# Altium PCB MU_MP_39_V1_ASMB.PcbDoc (part 14 of 15) (continued)
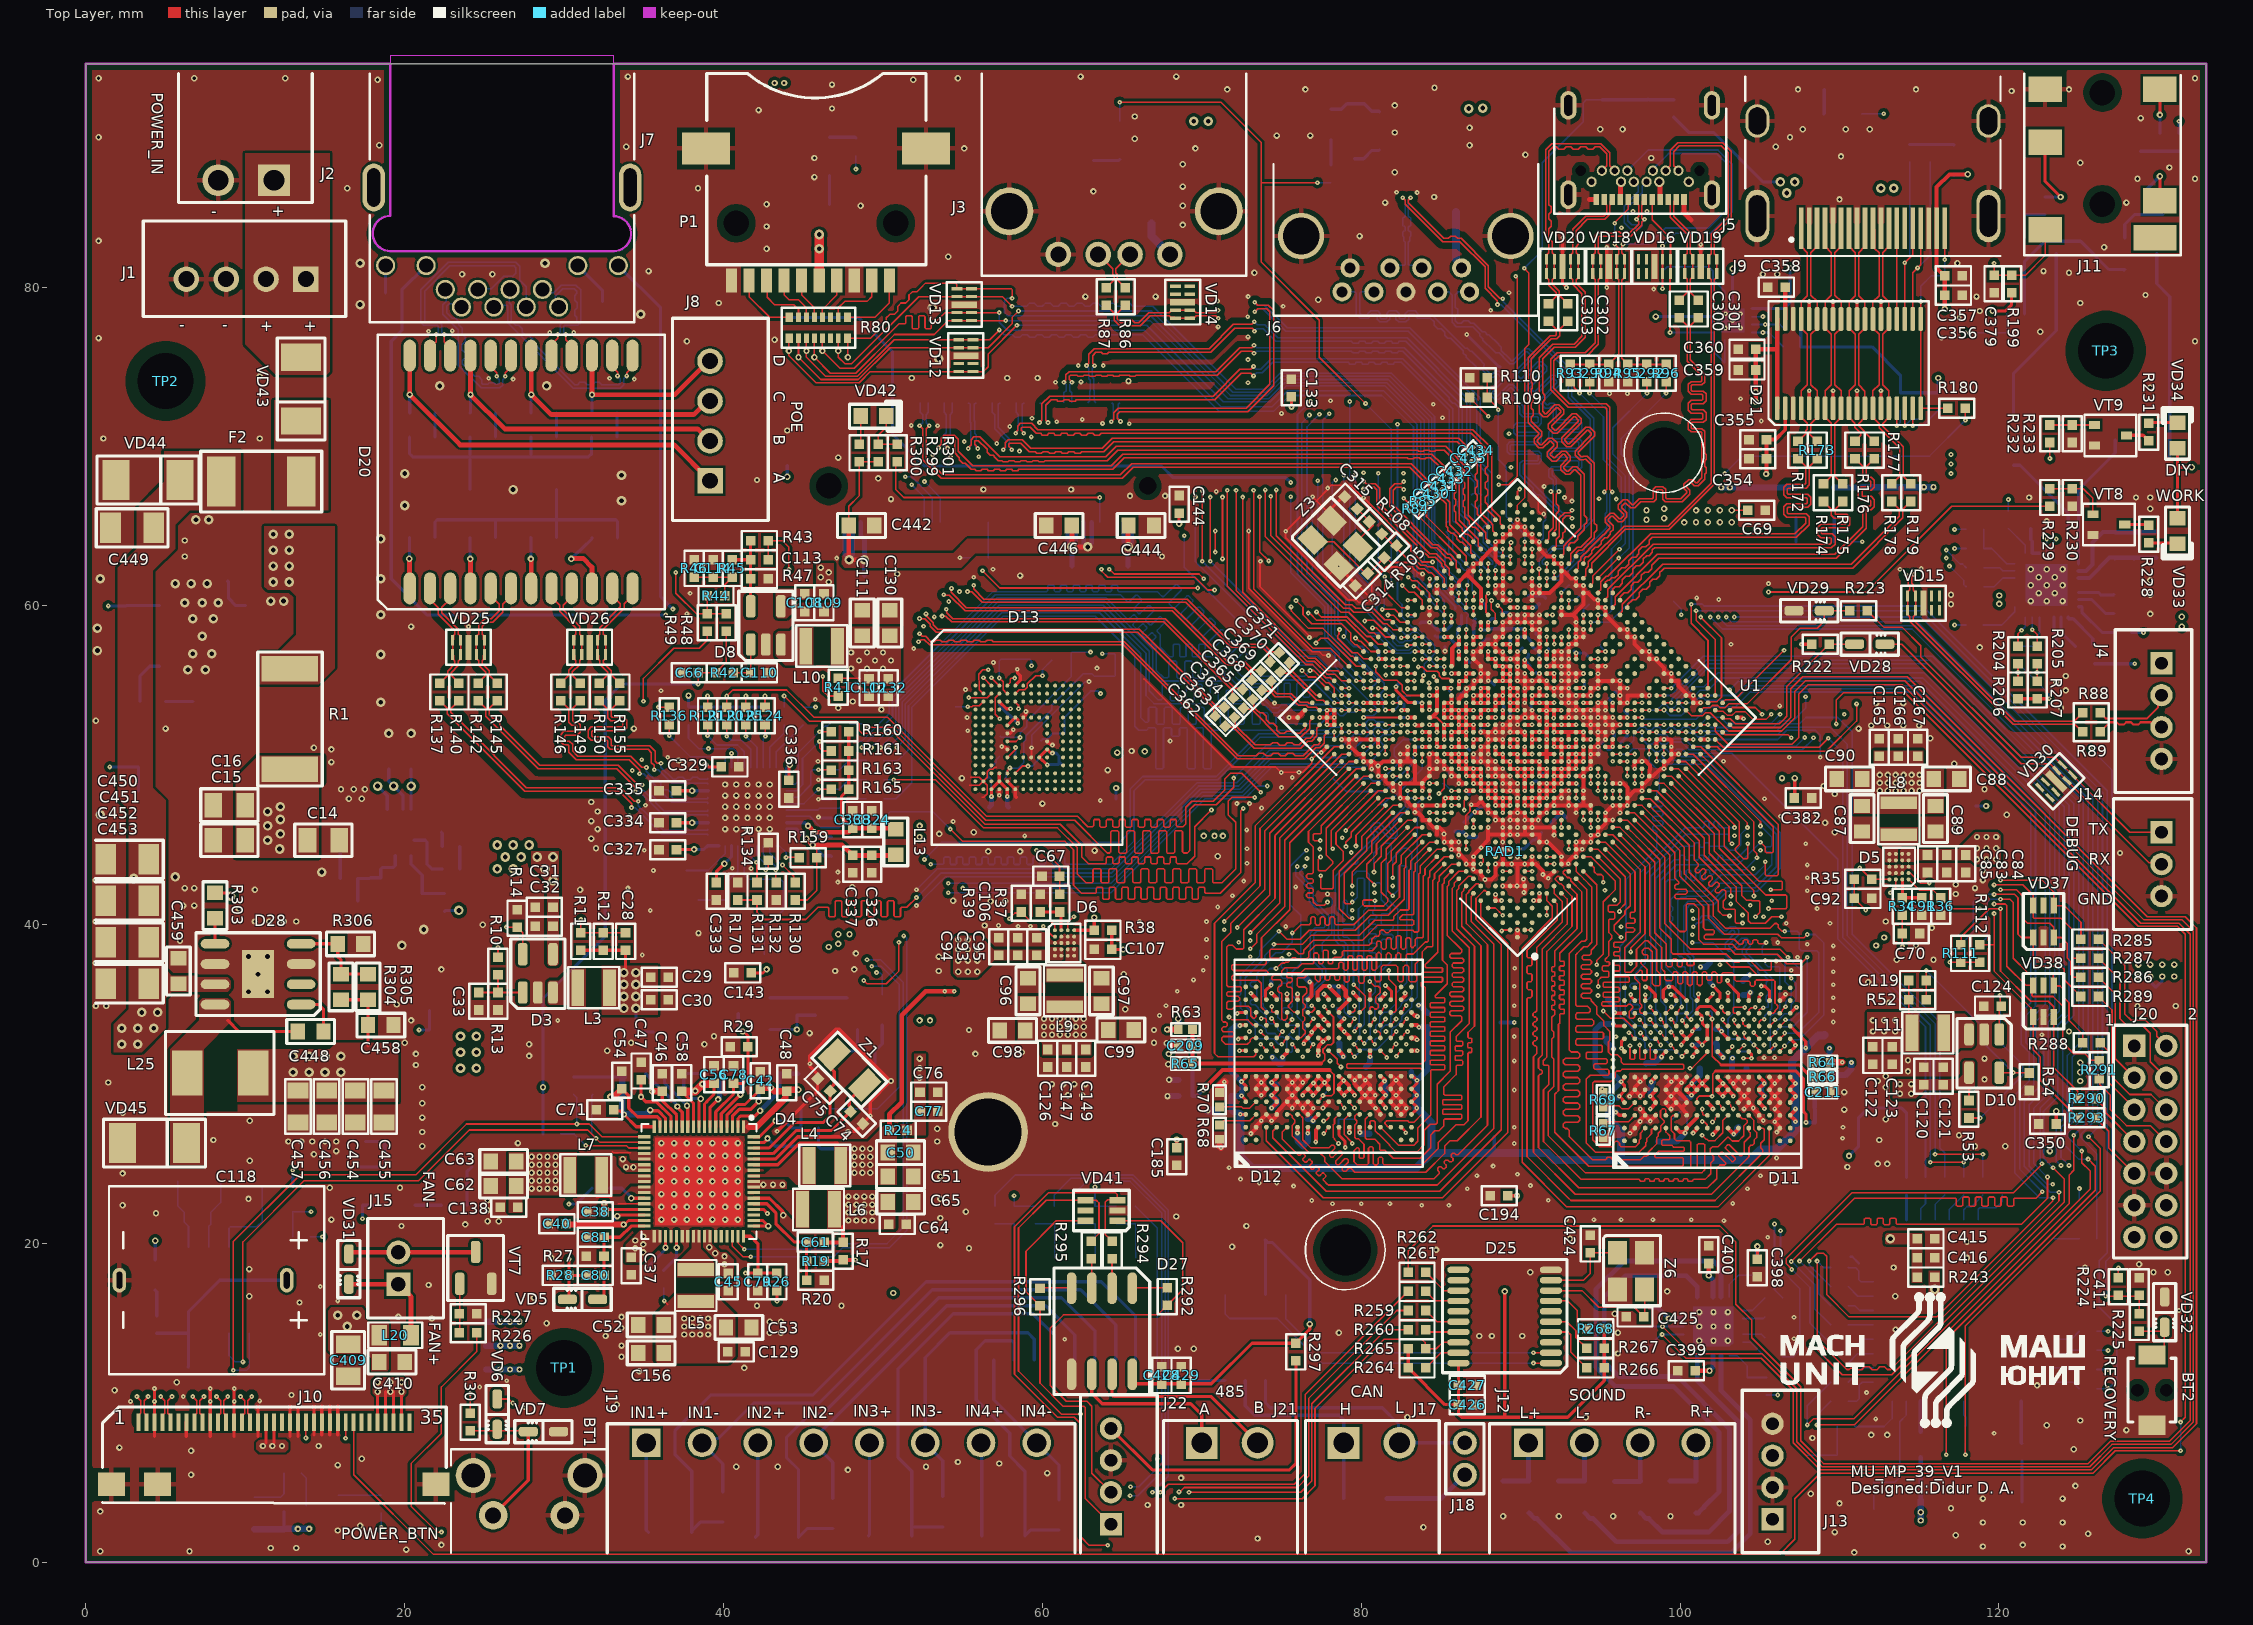
[diagram p0: Top Layer view]
## Nets (pads, with @x,y where several pads share a name; then routed paths per layer and width w, separated by ;. In a path a pad name is that pad's centre, name@x,y a point inside that pad or via, vN(x,y) a via of type N, cw(c..) or ccw(c..) an arc to the next point about the centre after c; other vN are vias at no path point) (continued)

## Polygon pours and split planes (outlines as drawn)
GND on Inner_Layer "NetC410_1" (solid, remove dead copper, pour order 1601): 0,0 0,94 133,94 133,0
VCC_1V8 on Inner_Layer "NetC410_1" (solid, remove dead copper, pour order 1174): 37 vertices, not listed, extent 47.7,12.5 131.5,38
VCCA_0V9 on Inner_Layer "S1-VCCA0V9_S3" (solid, pour order 1598): 22 vertices, not listed, extent 86.868,53.203 97.129,59.912
VCC12V_SYS on Inner_Layer "NetC410_1" (solid, remove dead copper, pour order 1169): 15.4,16 15.2,15.8 15.2,14.6 15.4,14.4 17.3,14.4 17.5,14.6 17.5,15.8 17.3,16
GND on Inner_Layer "S1-GND" (solid, pour order 1529): 180 vertices, not listed, extent 86.93,54.482 88.073,55.983
GND on Inner_Layer "S1-GND 5" (solid, pour order 1430): 81 vertices, not listed, extent 88.683,64.075 89.622,65.335
GND on Top Layer "GND_L01_P1603" (solid, remove dead copper, pour order 1603): 0,0 0,94 132.8,94 132.8,0
VCC_1V8 on Top Layer "NetC410_1" (solid, remove dead copper, pour order 1359): 115.6,18.3 115.6,16.8 115.7,16.7 116.2,16.7 116.3,16.8 116.3,18.3
3V3_PCIE on Top Layer "NetC410_1" (solid, remove dead copper, pour order 1362): 47.4,63.1 47.4,62.6 47.6,62.4 54.9,62.4 55.8,63.3 65.8,63.3 65.9,63.4 65.9,64.1 65.8,64.2 55.3,64.2 54.4,63.3 47.6,63.3
VDD_GPU on Top Layer "NONET_L01_P-001" (solid, pour order 1578): 116.55,46.975 116.55,49.75 115.425,49.75 115.25,49.925 115.25,50.925 112.15,50.925 112.15,49.9 112,49.75 110.875,49.75 110.875,46.975
NetD5_D3 on Top Layer "NONET_L01_P-001" (solid, pour order 1573): 114.925,46.1 112.525,46.1 112.525,45.075 112.875,44.725 112.875,43.95 112.913,43.912 113.646,43.912 113.668,43.934 113.668,44.718 113.9,44.95 114.925,44.95
VCC5V0_SYS on Top Layer "NONET_L01_P-001" (solid, pour order 1571): 117.45,44.725 118.525,45.8 119.925,45.8 120.125,45.6 120.125,43.925 120,43.8 118.525,43.8 118.275,44.05 114.8,44.05 114.662,43.912 113.81,43.912 113.81,44.66 113.875,44.725
VCC5V0_SYS on Top Layer "NONET_L01_P-001" (solid, pour order 1593): 56.971,37.77 55.9,36.7 54.65,36.7 54.4,36.95 54.4,39.1 54.6,39.3 56.1,39.3 56.955,38.445 60.33,38.445 60.468,38.584 61.32,38.584 61.32,37.836 61.255,37.77
VCC12V_SYS on Top Layer "NetC410_1" (solid, remove dead copper, pour order 1363): 15.4,13.1 17.6,13.1 17.9,12.8 17.9,12 18.9,12 19,12.1 19,15 18.9,15.1 17.7,15.1 17.5,15.3 17.5,15.8 17.3,16 15.4,16 15.2,15.8 15.2,13.3
EDP_LCD_VCC on Top Layer "NetC410_1" (solid, remove dead copper, pour order 1358): 10.9,6.9 10.7,7.1 10.7,7.5 10.9,7.7 12.5,7.7 12.7,7.5 12.7,7.1 12.5,6.9
EDP_BL_PWR on Top Layer "NetC410_1" (solid, remove dead copper, pour order 1364): 18.2,10.4 18,10.6 18,11.4 18.2,11.6 19.9,11.6 20.1,11.4 20.1,10.6 19.9,10.4
NetD6_D3 on Top Layer "NONET_L01_P-001" (solid, pour order 1579): 60.2,36.4 62.6,36.4 62.6,37.425 62.25,37.775 62.25,38.55 62.212,38.588 61.479,38.588 61.457,38.566 61.457,37.782 61.225,37.55 60.2,37.55
VDD_CPU_B on Top Layer "NONET_L01_P-001" (solid, pour order 1586): 58.45,35.525 58.45,32.75 59.8,32.75 60,32.55 60,31.825 63.05,31.825 63.05,32.6 63.2,32.75 64.625,32.75 64.625,35.525
NetC415_1 on Top Layer "NetC410_1" (solid, remove dead copper, pour order 1390): 115.2,17.55 114.525,17.55 114.525,19.75 114.325,19.95 112.925,19.95 112.875,20 112.875,20.55 112.975,20.65 115.2,20.65
NetD3_3 on Top Layer "Constraint_1" (solid, remove dead copper, pour order 1393): 29.075,36.5 28.975,36.4 28.975,35.075 29.075,34.975 30.175,34.975 30.325,34.825 31.35,34.825 31.35,37.25 30.4,37.25 29.65,36.5
VCC5V0_SYS on Top Layer "Constraint_1" (solid, remove dead copper, pour order 1394): 29.05,37.425 28.925,37.55 28.925,42.675 27.925,43.675 27.925,44.625 29.675,44.625 29.675,37.55 29.55,37.425
VCC3V3_SYS on Top Layer "Constraint_1" (solid, remove dead copper, pour order 1395): 32.35,37.425 32.35,34.35 35.875,34.35 35.875,37.425
VDD_CENTER on Top Layer "NONET_L01_P-001" (solid, pour order 1518): 37.032,16.845 35.732,15.545 35.732,12.645 35.882,12.495 40.295,12.495 40.732,12.932 40.732,15.545 39.432,16.845
NetD4_58 on Top Layer "NONET_L01_P-001" (solid, pour order 1546): 45.382,23.343 42.334,23.343 42.286,23.295 41.482,23.295 41.482,23.095 42.286,23.095 42.336,23.045 43.003,23.045 44.482,21.566 44.482,20.97 45.382,20.97
NetD10_3 on Top Layer "NONET_L01_P-001" (solid, pour order 1554): 118.451,33.817 117.851,34.417 116.101,34.417 116.101,32.017 117.301,32.017 117.576,32.292 118.301,32.292 118.451,32.442
VCCA_0V9 on Top Layer "NONET_L01_P-001" (solid, pour order 1572): 115,34.525 111.75,34.525 111.75,32.025 115,32.025
VCC3V3_SYS on Top Layer "NONET_L01_P-001" (solid, pour order 1556): 118.475,31.375 118.383,31.467 117.842,31.467 117.75,31.375 117.75,30.575 117.467,30.292 113.35,30.292 113.35,29.1 114.8,29.1 115.317,29.617 117.451,29.617 118.217,29.617 118.475,29.875
VCC12V on Top Layer "Constraint_1" (solid, remove dead copper, pour order 1396): 9.5,32.2 9.5,28.9 19.6,28.9 19.6,32.6 15.7,32.6 15.3,32.2 15.2,32.2
NetC448_1 on Top Layer "Constraint_1" (solid, remove dead copper, pour order 1397): 7.3,35.4 7.1,35.2 7.1,34 5.3,32.2 5.3,24.9 7.4,24.9 7.4,32.2 9.1,33.9 9.1,35.2 8.9,35.4
24V_IN_2 on Top Layer "Constraint_1" (solid, remove dead copper, pour order 1410): 31 vertices, not listed, extent 1.75,32 9.7,69.7
NetF2_1 on Top Layer "Constraint_1" (solid, remove dead copper, pour order 1411): 11.8,72.9 11.8,66 15.2,66 15.2,72.9
PWR_IN on Top Layer "Constraint_1" (solid, remove dead copper, pour order 1431): 10,88.4 10,76.4 11.9,74.5 15.1,74.5 15.3,74.7 15.3,88.4
24V_IN_1 on Top Layer "Constraint_1" (solid, remove dead copper, pour order 1458): 11.2,65 11.2,61.2 11.4,61 12.8,61 13.2,60.6 13.2,58.2 12.1,57.1 10.9,57.1 10.9,55.1 14.6,55.1 15.6,56.1 15.6,65
VCC12V_SYS on Top Layer "*" (solid, pour order 1466): 14.9,49.4 14.9,50.6 10.8,50.6 9.4,49.2 9.4,44.2 14.6,44.2 14.6,48.6 14.9,48.9
NetD4_25 on Top Layer "NONET_L01_P-001" (solid, pour order 1552): 35.432,23.795 35.407,23.77 34.157,23.77 33.507,23.12 31.907,23.12 31.907,25.47 33.182,25.47 33.301,25.351 33.301,24.842 33.772,24.37 35.432,24.37
NetD4_61 on Top Layer "NONET_L01_P-001" (solid, pour order 1543): 43.031,24.745 42.582,24.345 41.482,24.345 41.482,24.145 44.105,24.145 44.555,23.695 45.782,23.695 45.782,26.07 44.907,26.07 43.582,24.745
VCC5V0_SYS on Top Layer "NONET_L01_P-001" (solid, pour order 1530): 38.707,20.87 38.707,19.795 39.807,18.695 39.807,17.795 40.625,17.795 40.625,18.977 40.157,19.445 39.807,19.445 39.257,19.995 39.257,20.87
VCC5V0_SYS on Top Layer "VCC5V0_SYS_L01_P1473" (solid, pour order 1473): 41.157,27.745 41.157,26.92 41.432,26.92 41.837,27.325 41.837,27.365 41.457,27.745
VCC5V0_SYS on Top Layer "VCC5V0_SYS_L01_P1475" (solid, pour order 1475): 33.932,25.52 33.932,25.27 34.157,25.045 35.43,25.045 35.43,24.495 33.882,24.495 33.432,24.945 33.432,25.52
VDD_CPU_L on Top Layer "NONET_L01_P-001" (solid, pour order 1553): 30.782,23.045 27.607,23.045 27.357,22.795 27.357,21.945 27.332,21.945 26.532,21.945 26.532,23.045 26.532,25.72 30.782,25.72
VCC5V0_SYS on Top Layer "NONET_L01_P-001" (solid, pour order 1476): 43.275,59.35 43.4,59.225 43.975,59.225 44.3,59.55 44.3,60.025 44.675,60.4 46.6,60.4 46.9,60.7 46.9,62.675 45.8,62.675 45.8,61.2 45.675,61.075 44.275,61.075 43.45,61.075 43.275,60.9
VCC_1V8 on Top Layer "NONET_L01_P-001" (solid, pour order 1551): 46.932,23.695 49.882,23.695 50.857,23.695 50.857,27.395 50.057,27.395 49.057,26.395 46.932,26.395
NetD8_3 on Top Layer "NONET_L01_P-001" (solid, pour order 1587): 43.275,56.875 43.875,56.275 45.625,56.275 45.625,58.675 44.425,58.675 44.15,58.4 43.425,58.4 43.275,58.25
VDD_LOG on Top Layer "NONET_L01_P-001" (solid, pour order 1588): 46.725,56.175 47.6,56.175 48.725,55.05 48.775,55 50.825,55 51.125,55.3 51.125,58.679 46.725,58.679
VCC1V8_DDR on Top Layer "NONET_L01_P-001" (solid, pour order 1557): 52.675,26.795 52.675,31.9 51.975,31.9 51.975,27.65 51.8,27.47 51.082,27.47 51.082,26.795
VCC_DDR on Top Layer "NONET_L01_P-001" (solid, pour order 1550): 46.507,23.345 46.507,20.9 50.782,20.9 50.782,23.195 49.782,23.195 49.632,23.345 48.907,23.345
VCC5V0_SYS on Top Layer "NONET_L01_P-001" (solid, pour order 1474): 43.8,24 41.482,23.995 41.482,23.445 43.95,23.445 43.95,23.85
VCC5V0_SYS on Top Layer "NONET_L01_P-001" (solid, pour order 1535): 36.107,20.87 36.107,20.045 34.887,18.825 33.875,18.825 33.875,19.938 34.807,20.87
NetD4_42 on Top Layer "NONET_L01_P-001" (solid, pour order 1522): 38.007,20.87 38.007,19.72 37.082,18.795 37.082,17.895 39.432,17.895 39.432,18.795 38.557,19.67 38.557,20.87
no net on Top Overlay "NONET_L-01_P-001" (solid): 41 vertices, not listed, extent 106.312,12.99 107.762,14.25
no net on Top Overlay "NONET_L-01_P-001" (solid): 108.198,13.005 cw(c108.178,13.011) 108.178,12.99 107.893,12.99 cw(c107.893,13.001) 107.883,13.001 108.342,14.24 cw(c108.367,14.214) 108.367,14.25 108.701,14.25 cw(c108.701,14.214) 108.726,14.24 109.169,13.011 ccw(c109.193,12.982) 109.164,13.006 ccw(c109.17,13.032) 109.169,13.005 ccw(c109.203,12.976) 109.161,12.99 108.886,12.99 cw(c108.886,13.044) 108.848,13.006 108.522,13.977
no net on Top Overlay "NONET_L-01_P-001" (solid): 109.132,12.99 109.161,12.99 ccw(c109.14,13.011) 109.169,13.011
no net on Top Overlay "NONET_L-01_P-001" (solid): 108.278,13.528 108.763,13.528 108.853,13.328 108.194,13.328
no net on Top Overlay "NONET_L-01_P-001" (solid): 80 vertices, not listed, extent 109.233,12.974 110.229,14.271
no net on Top Overlay "NONET_L-01_P-001" (solid): 32 vertices, not listed, extent 110.403,12.99 111.547,14.25
no net on Top Overlay "NONET_L-01_P-001" (solid): 64 vertices, not listed, extent 106.312,11.134 107.487,12.51
no net on Top Overlay "NONET_L-01_P-001" (solid): 24 vertices, not listed, extent 107.92,11.161 109.196,12.51
no net on Top Overlay "NONET_L-01_P-001" (solid): 109.965,11.282 109.965,11.176 cw(c109.95,11.176) 109.95,11.161 109.639,11.161 cw(c109.639,11.171) 109.628,11.171 109.628,12.5 cw(c109.639,12.5) 109.639,12.51 109.955,12.51 cw(c109.955,12.5) 109.965,12.5
no net on Top Overlay "NONET_L-01_P-001" (solid): 19 vertices, not listed, extent 110.393,11.155 111.558,12.51
no net on Top Overlay "NONET_L-01_P-001" (solid): 57 vertices, not listed, extent 114.684,16.354 115.306,16.944
no net on Top Overlay "NONET_L-01_P-001" (solid): 57 vertices, not listed, extent 115.364,16.354 115.986,16.944
no net on Top Overlay "NONET_L-01_P-001" (solid): 57 vertices, not listed, extent 116.044,16.354 116.667,16.944
no net on Top Overlay "NONET_L-01_P-001" (solid): 57 vertices, not listed, extent 115.048,8.43 115.67,9.02
no net on Top Overlay "NONET_L-01_P-001" (solid): 57 vertices, not listed, extent 115.728,8.435 116.35,9.025
no net on Top Overlay "NONET_L-01_P-001" (solid): 57 vertices, not listed, extent 116.414,8.435 117.036,9.025
no net on Top Overlay "NONET_L-01_P-001" (solid): 48 vertices, not listed, extent 113.166,11.967 115.159,16.354
no net on Top Overlay "NONET_L-01_P-001" (solid): 48 vertices, not listed, extent 116.561,9.025 118.554,13.412
no net on Top Overlay "NONET_L-01_P-001" (solid): 44 vertices, not listed, extent 113.841,11.282 115.839,16.354
no net on Top Overlay "NONET_L-01_P-001" (solid): 44 vertices, not listed, extent 115.876,9.025 117.874,14.097
no net on Top Overlay "NONET_L-01_P-001" (solid): 46 vertices, not listed, extent 114.526,10.602 116.519,16.354
no net on Top Overlay "NONET_L-01_P-001" (solid): 46 vertices, not listed, extent 115.196,9.02 117.189,14.772
no net on Top Overlay "NONET_L-01_P-001" (solid): 34 vertices, not listed, extent 120.157,12.853 121.76,14.245
no net on Top Overlay "NONET_L-01_P-001" (solid): 20 vertices, not listed, extent 121.897,12.853 123.32,14.245
no net on Top Overlay "NONET_L-01_P-001" (solid): 122.345,13.449 122.893,13.449 122.988,13.212 122.239,13.212
no net on Top Overlay "NONET_L-01_P-001" (solid): 38 vertices, not listed, extent 123.452,12.853 125.377,14.245
no net on Top Overlay "NONET_L-01_P-001" (solid): 58 vertices, not listed, extent 120.537,11.498 121.696,12.321
no net on Top Overlay "NONET_L-01_P-001" (solid): 59 vertices, not listed, extent 120.537,11.134 121.696,11.957
no net on Top Overlay "NONET_L-01_P-001" (solid): 18 vertices, not listed, extent 120.152,11.155 120.537,12.305
no net on Top Overlay "NONET_L-01_P-001" (solid): 27 vertices, not listed, extent 121.897,11.155 122.941,12.305
no net on Top Overlay "NONET_L-01_P-001" (solid): 23 vertices, not listed, extent 123.167,11.155 124.254,12.305
no net on Top Overlay "NONET_L-01_P-001" (solid): 18 vertices, not listed, extent 124.391,11.155 125.377,12.305
GND on Bottom Layer "GND_L08_P1585" (solid, remove dead copper, pour order 1585): 0,0 0,94 132.8,94 132.8,0
VDD_GPU on Bottom Layer "BOTTOM-VDD_GPU" (solid, pour order 1576): 46 vertices, not listed, extent 90.41,51.273 94.677,55.235
VCC5V0_SYS on Bottom Layer "Constraint_1" (solid, remove dead copper, pour order 1459): 67.9,90.8 67.5,91.2 66.3,91.2 66.3,89.6 67.5,89.6 67.8,89.9 70.8,89.9 70.8,90.8
VCCA3V0_CODEC on Bottom Layer "NetC410_1" (solid, remove dead copper, pour order 1389): 132.325,58.4 132.325,65.5 131.15,65.5 131.15,58.4
EDP_BL_PWR on Bottom Layer "NetC410_1" (solid, remove dead copper, pour order 1340): 24.1,15.7 24.1,11.5 24,11.4 20.2,11.4 20.1,11.3 20.1,10.6 19.9,10.4 18.2,10.4 18,10.6 18,11.6 19.2,12.8 22.6,12.8 22.9,13.1 22.9,15.6 23,15.7
EDP_LCD_VCC on Bottom Layer "NetC410_1" (solid, remove dead copper, pour order 1342): 20 vertices, not listed, extent 7.8,2.7 12.6,7.6
REG_OUT on Bottom Layer "NONET_L01_P-001" (solid, pour order 1567): 43.6,45.725 44.3,45.725 45.6,44.425 45.6,42.1 47.6,42.1 48,41.7 48,41 44.7,41 44.7,44.4 43.6,45.5
VCCA1V8_CODEC on Bottom Layer "NetC410_1" (solid, remove dead copper, pour order 1391): 121.375,61 121.375,60.225 120.55,60.225 119.975,59.65 118.675,59.65 118.675,60.325 119.35,60.325 120.025,61 120.65,61
NetC415_1 on Bottom Layer "NetC410_1" (solid, remove dead copper, pour order 1424): 111.5,19.95 113.45,19.95 113.6,20.1 113.6,20.5 113.45,20.65 111.5,20.65
NetC413_1 on Bottom Layer "NetC410_1" (solid, remove dead copper, pour order 1426): 113.625,20.875 113.625,23.25 113.425,23.45 111.2,23.45 109.9,24.75 107.325,24.75 107.275,24.7 107.275,23.1 107.325,23.05 110.275,23.05 110.675,22.65 112.8,22.65 112.975,22.475 112.975,20.875
NetD24_21 on Bottom Layer "Constraint_1" (solid, remove dead copper, pour order 1428): 112.725,19.125 111.175,19.125 110.775,19.525 107.35,19.525 107.275,19.6 107.275,21.075 107.35,21.15 110.1,21.15 111.55,19.7 112.725,19.7
VDD10_EPHY on Bottom Layer "NONET_L01_P-001" (solid, pour order 1580): 44.7,40.05 44.575,39.925 44.575,39.125 44.65,39.05 45.3,39.05 45.4,38.95 45.4,37.85 45.5,37.75 47.1,37.75 49.3,39.95 49.3,40.45 49.2,40.55 47.225,40.55 46.725,40.05
VCC5V0_SYS on Bottom Layer "Constraint_1" (solid, remove dead copper, pour order 1429): 110.6,89.3 110.6,88.5 111.3,87.8 111.3,85.7 113.8,85.7 113.8,86.8 112.4,86.8 112.2,87 112.2,89.3
VBUS_TYPEC0 on Bottom Layer "Constraint_1" (solid, remove dead copper, pour order 1443): 109.8,89.3 109.8,88.6 109.5,88.3 108.9,88.3 108.7,88.1 108.7,85.5 106.4,85.5 105.9,86 105.9,87.9 107.5,87.9 108,88.4 108,89.2 108.1,89.3
VCC5V0_SYS on Bottom Layer "Constraint_1" (solid, remove dead copper, pour order 1444): 82.6,91.8 82.6,90.2 83.6,90.2 84.1,90.7 86.8,90.7 86.8,91.8
VCC5V0_HOST_3_0 on Bottom Layer "Constraint_1" (solid, remove dead copper, pour order 1457): 21 vertices, not listed, extent 82.7,84.1 86.7,89.4
VCC5V0_HOST on Bottom Layer "Constraint_1" (solid, remove dead copper, pour order 1460): 66.4,88.8 66.4,83.5 67.3,83.5 67.3,88.8
VCC_DDR on Bottom Layer "BOTTOM-VCC_DDR" (solid, pour order 1569): 26 vertices, not listed, extent 84.923,46.599 89.698,51.046
VCC3V3_SYS on Bottom Layer "Constraint_1" (solid, remove dead copper, pour order 1539): 45.2,88.5 45.2,93.1 42.9,93.1 42.9,92.5 44,92.5 44.3,92.2 44.3,88.5
VCC3V0_SD on Bottom Layer "Constraint_1" (solid, remove dead copper, pour order 1544): 44.4,87.8 44.4,81.9 46.4,81.9 46.4,83.7 45.2,83.7 45.2,87.8
PWR_IN on Bottom Layer "Constraint_1" (solid, remove dead copper, pour order 1545): 10,88.4 10,76.4 11.9,74.5 18,74.5 18,76.9 15.3,79.6 15.3,88.4
NetC13_1 on Bottom Layer "*" (solid, pour order 1558): 24,50 24,46.7 22.9,45.6 21.1,45.6 19.4,45.6 19.4,46 20.5,46 21.1,46.6 21.1,50
VCC5V0_SYS on Bottom Layer "*" (solid, pour order 1555): 29.9,50.2 29.9,41.8 25.4,41.8 25.4,50.2
NetC460_1 on Bottom Layer "Constraint_1" (solid, remove dead copper, pour order 1547): 20.3,25.5 20.3,24.1 20.4,24 22.5,24 22.7,23.8 25.6,23.8 25.7,23.9 25.7,25.7 25.6,25.8 22.8,25.8 22.6,25.6 20.4,25.6
VCC12V on Bottom Layer "Constraint_1" (solid, remove dead copper, pour order 1559): 21 vertices, not listed, extent 10.2,24 20.4,32.8
3V3_PCIE on Bottom Layer "Constraint_1" (solid, remove dead copper, pour order 1548): 22.2,34.3 22.2,27.9 26,27.9 26,34.3
24V_IN_2 on Bottom Layer "Constraint_1" (solid, remove dead copper, pour order 1560): 1.6,33.8 1.6,31.1 4,28.7 6,28.7 6.1,28.8 6.1,33.7 4.7,35.1 2.9,35.1
NetC1_1 on Bottom Layer "*" (solid, pour order 1562): 13.9,55.5 11.9,55.5 10.8,56.6 9.2,56.6 7.9,55.3 6.5,55.3 6.5,52.3 13.9,52.3
VCC12V_SYS on Bottom Layer "*" (solid, pour order 1561): 18 vertices, not listed, extent 4.1,44.3 19.9,51.4
24V_IN_1 on Bottom Layer "*" (solid, pour order 1563): 25 vertices, not listed, extent 7.2,55.8 15.25,69.5
NetF1_1 on Bottom Layer "*" (solid, pour order 1564): 15.2,66.114 15.2,72.7 18.1,72.7 18.1,65.907 15.407,65.907
VCC_DDR on Bottom Layer "Constraint_1" (solid, remove dead copper, pour order 1565): 104.65,31.8 103.75,31.8 103.75,31.25 103.9,31.1 103.9,30.7 104.65,30.7
VDD_CPU_B on Bottom Layer "BOTTOM-VDD_CPU_B" (solid, pour order 1582): 22 vertices, not listed, extent 83.806,51.552 87.26,54.218
VDD_CENTER on Bottom Layer "BOTTOM-VDD_CENTER" (solid, pour order 1570): 19 vertices, not listed, extent 88.174,48.834 91.121,51.984
VCC_DDR on Bottom Layer "BOTTOM-VCC_DDR 1" (solid, pour order 1568): 28 vertices, not listed, extent 90.003,46.802 94.499,51.374
VDD_CPU_L on Bottom Layer "BOTTOM-VDD_CPU_L 1" (solid, pour order 1581): 87.953,54.95 87.535,55.368 87.312,55.144 87.42,55.036 86.895,54.512 86.836,54.452 86.836,54.321 87.463,53.694 87.548,53.694 88.301,54.447 88.301,54.601 88.007,54.896
VCC5V0_SYS on Bottom Layer "VCC5V0_SYS_L08_P1566" (solid, pour order 1566): 32.525,24.725 32.705,24.545 34.632,24.545 34.632,24.92 33.982,25.57 32.72,25.57 32.525,25.375
VDD_CPU_L on Bottom Layer "BOTTOM-VDD_CPU_L" (solid, pour order 1584): 86.047,54.822 87.013,55.788 86.549,56.251 86.041,55.743 86.041,55.438 85.736,55.134
VDD_LOG on Bottom Layer "BOTTOM-VDD_LOG" (solid, pour order 1577): 40 vertices, not listed, extent 87.26,53.254 90.105,57.369
GND on POWER_1 "NetC410_1" (solid, remove dead copper, pour order 1604): 0,0 0,94 133,94 133,0
VCC_DDR on POWER_1 "POWER1-VCC_DDR" (solid, remove dead copper, pour order 1508): 43 vertices, not listed, extent 47.4,19.1 111,51.161
VCC5V0_SYS on POWER_1 "Constraint_1" (solid, remove dead copper, pour order 1502): 60 vertices, not listed, extent 17.4,9.4 121.75,62.8
VDD_CPU_L on POWER_1 "POWER1-VDD_CPU_L" (solid, remove dead copper, pour order 1594): 27 vertices, not listed, extent 26.6,22.95 88.378,66.2
VDD_GPU on POWER_1 "POWER1-VDD_GPU" (solid, remove dead copper, pour order 1599): 28 vertices, not listed, extent 88.784,47.75 115.425,60.55
VDD_CPU_B on POWER_1 "POWER1-VDD_CPU_B" (solid, remove dead copper, pour order 1574): 20 vertices, not listed, extent 57.2,32.6 87.158,59.198
VBUS_TYPEC0 on POWER_1 "NetC410_1" (solid, remove dead copper, pour order 1491): 105.9,86 106.5,85.4 107,85.4 107.7,86.1 107.7,87.1 105.9,87.1
3V3_PCIE on POWER_1 "NetC410_1" (solid, remove dead copper, pour order 1501): 23.3,33.5 23,33.2 23,30.8 23.3,30.5 24.7,30.5 25,30.8 25,33.2 24.7,33.5
GND on POWER_2 "NetC410_1" (solid, remove dead copper, pour order 1600): 0,0 0,94 133,94 133,0
VDD_CENTER on POWER_2 "POWER2-VDD_CENTER" (solid, remove dead copper, pour order 1591): 20 vertices, not listed, extent 36.8,0.5 122.4,58.182
VCC3V3_SYS on POWER_2 "NetC410_1" (solid, remove dead copper, pour order 1494): 36 vertices, not listed, extent 24.2,13.35 114.8,37.5
VDD_LOG on POWER_2 "NONET_L01_P-001" (solid, remove dead copper, pour order 1595): 20 vertices, not listed, extent 47.625,53.305 90.816,73.425
VCC_3V0 on POWER_2 "GND2-VCC_3V0" (solid, remove dead copper, pour order 1488): 17 vertices, not listed, extent 80.046,53.61 84.11,58.08
VCC3V3_S3 on POWER_2 "NONET_L01_P-001" (solid, remove dead copper, pour order 1589): 90.058,58.342 91.475,56.925 92.2,56.925 95.575,60.3 95.575,60.95 95.525,61 93.275,61 91.925,59.65 91.075,59.65 90.058,58.633
VCC12V_SYS on POWER_2 "NetC410_1" (solid, remove dead copper, pour order 1597): 15.4,16 15.2,15.8 15.2,14.6 15.4,14.4 17.3,14.4 17.5,14.6 17.5,15.8 17.3,16
VCC12V_SYS on POWER_2 "NetC410_1" (solid, remove dead copper, pour order 1596): 15.4,16 15.2,15.8 15.2,14.6 15.4,14.4 17.3,14.4 17.5,14.6 17.5,15.8 17.3,16
VCC_1V8 on POWER_2 "NONET_L01_P-001" (solid, pour order 1583): 100.825,66.575 100,65.75 100,65 102.075,62.925 125.275,62.925 125.9,62.3 125.9,39 128.5,36.4 131.4,36.4 131.4,37.8 129,40.2 129,65.3 127.725,66.575
VCCA_0V9 on POWER_2 "NetC410_1" (solid, remove dead copper, pour order 1419): 113.6,34.5 113.9,34.2 113.9,33.2 113.6,32.9 112,32.9 111.7,33.2 111.7,34.2 112,34.5
VCC12V_SYS on POWER_2 "NetC410_1" (solid, remove dead copper, pour order 1496): 11,47.9 10.9,47.8 10.9,44.4 11.1,44.2 12.5,44.2 12.7,44.4 12.7,47.8 12.6,47.9
VCC12V_SYS on POWER_2 "NetC410_1" (solid, remove dead copper, pour order 1500): 15.4,16 15.2,15.8 15.2,14.6 15.4,14.4 17.3,14.4 17.5,14.6 17.5,15.8 17.3,16
VDD10_EPHY on POWER_2 "NetC410_1" (solid, remove dead copper, pour order 1575): 46.3,39 46.3,38.3 47.2,38.3 48.2,39.3 48.2,39.7 47,39.7
VCC_1V5 on POWER_2 "POWER2-VCC_1V5" (solid, remove dead copper, pour order 1590): 80.285,55.8 77.793,55.8 77.793,54.85 78.695,54.85 80.638,52.907 82.162,52.907 82.67,53.415
VCCA_0V9 on POWER_2 "POWER2-AVDD0V9_DDR0PLL" (solid, pour order 1592): 97.217,48.428 97.217,48.558 95.925,49.85 95.693,49.85 95.49,49.647 95.49,48.936 96.127,48.298 96.177,48.249 96.404,48.022 96.81,48.022
GND on GND_2 "NONET_L01_P-001" (solid, remove dead copper, pour order 1495): 0,0 0,94 132.8,94 132.8,0
VCC_1V8 on GND_2 "NONET_L01_P-001" (solid, remove dead copper, pour order 1489): 30 vertices, not listed, extent 81.367,50.358 103.75,66.5
GND on GND_3 "NONET_L01_P-001" (solid, remove dead copper, pour order 1435): 0,0 0,94 133,94 133,0
GND on GND_1 "NetC410_1" (solid, remove dead copper, pour order 1602): 0,0 0,94 133,94 133,0

## Keep-outs
Keep-Out Layer:
  lines w0.15: 0,0 133,0 133,94 99.75,94 33.1,94 33.1,84.45 cw(c33.1,83.35) 33.1,82.25 19.1,82.25 cw(c19.112,83.363) 19.1,84.475 19.1,94 0,94 0,0

## Other copper
Top Layer:
  pour cut-out: 52.05,67.825 52.05,67.625 52.3,67.625 52.3,67.825
  pour cut-out: 54.675,61.3 55.125,61.3 55.125,61.025 54.675,61.025
  pour cut-out: 40.15,50.717 40.15,50.2 40.4,50.2 40.4,50.55
  pour cut-out: 3,9.5 20.6,9.5 20.6,8.1 3,8.1
  pour cut-out: 100,86 100.575,86 100.575,84.8 100,84.8
  pour cut-out: 95,86 94.3,86 94.3,84.8 95,84.8
  pour cut-out: 60.2,36.3 60.2,35.6 62.6,35.6 62.6,36.3
  pour cut-out: 112.5,46.9 112.5,46.2 115,46.2 115,46.9
  pour cut-out: 115.1,34.5 116,34.5 116,32 115.1,32
  pour cut-out: 45.7,58.7 46.6,58.7 46.6,56.3 45.7,56.3
  pour cut-out: 45.5,20.9 46.4,20.9 46.4,21.1 45.5,21.1
  pour cut-out: 37,17.8 37,16.9 39.5,16.9 39.5,17.8
  pour cut-out: 30.9,25.5 31.8,25.5 31.8,23.1 30.9,23.1
  pour cut-out: 30.5,38 30.5,37.3 30.7,37.3 30.7,38
  pour cut-out: 31.4,37.3 31.4,34.8 32.3,34.8 32.3,37.3
  pour cut-out: 12.6,34.7 12.6,33.4 12.9,33.4 12.9,34.7
  pour cut-out: 7.5,32.2 7.5,28.3 9.5,28.3 9.5,33.1 9,33.6 9,33.7
  pour cut-out: 30.657,17.045 31.957,17.045 31.957,17.17 30.657,17.17
  pour cut-out: 50.782,20.945 50.782,23.62 50.857,23.695 50.857,26.645 51.207,26.645 51.207,22.07 50.957,21.82 50.957,20.945
POWER_1:
  pour cut-out: 52.05,67.825 52.05,67.625 52.3,67.625 52.3,67.825
  pour cut-out: 114.9,62.1 115.4,62.1 115.4,62.6 114.9,62.6
  pour cut-out: 113.6,62.5 113.6,62.1 114,62.1 114,62.5
  pour cut-out: 116,62.4 116.8,62.4 116.8,62.7 116,62.7
  pour cut-out: 106.6,6.6 106.6,3.5 106.8,3.5 106.8,6.6
  pour cut-out: 80.3,68.9 80.2,69 79.7,68.5 79.8,68.4
  pour cut-out: 77.7,67.6 77.7,67.2 78.1,67.2 78.1,67.6
  pour cut-out: 77,67.4 76.2,66.6 76.2,66.5 76.1,66.6 77,67.5
  pour cut-out: 67.4,66.6 68,66.6 68,67.2 67.4,67.2
  pour cut-out: 61.7,77 61.7,76.4 61.9,76.4 61.9,77
  pour cut-out: 62.938,55.487 63.164,55.261 62.889,54.986 62.663,55.213
  pour cut-out: 59.338,51.337 59.564,51.111 59.289,50.836 59.063,51.063